# KiCad board RP2040-Breadstick Panel.kicad_pcb (continued)
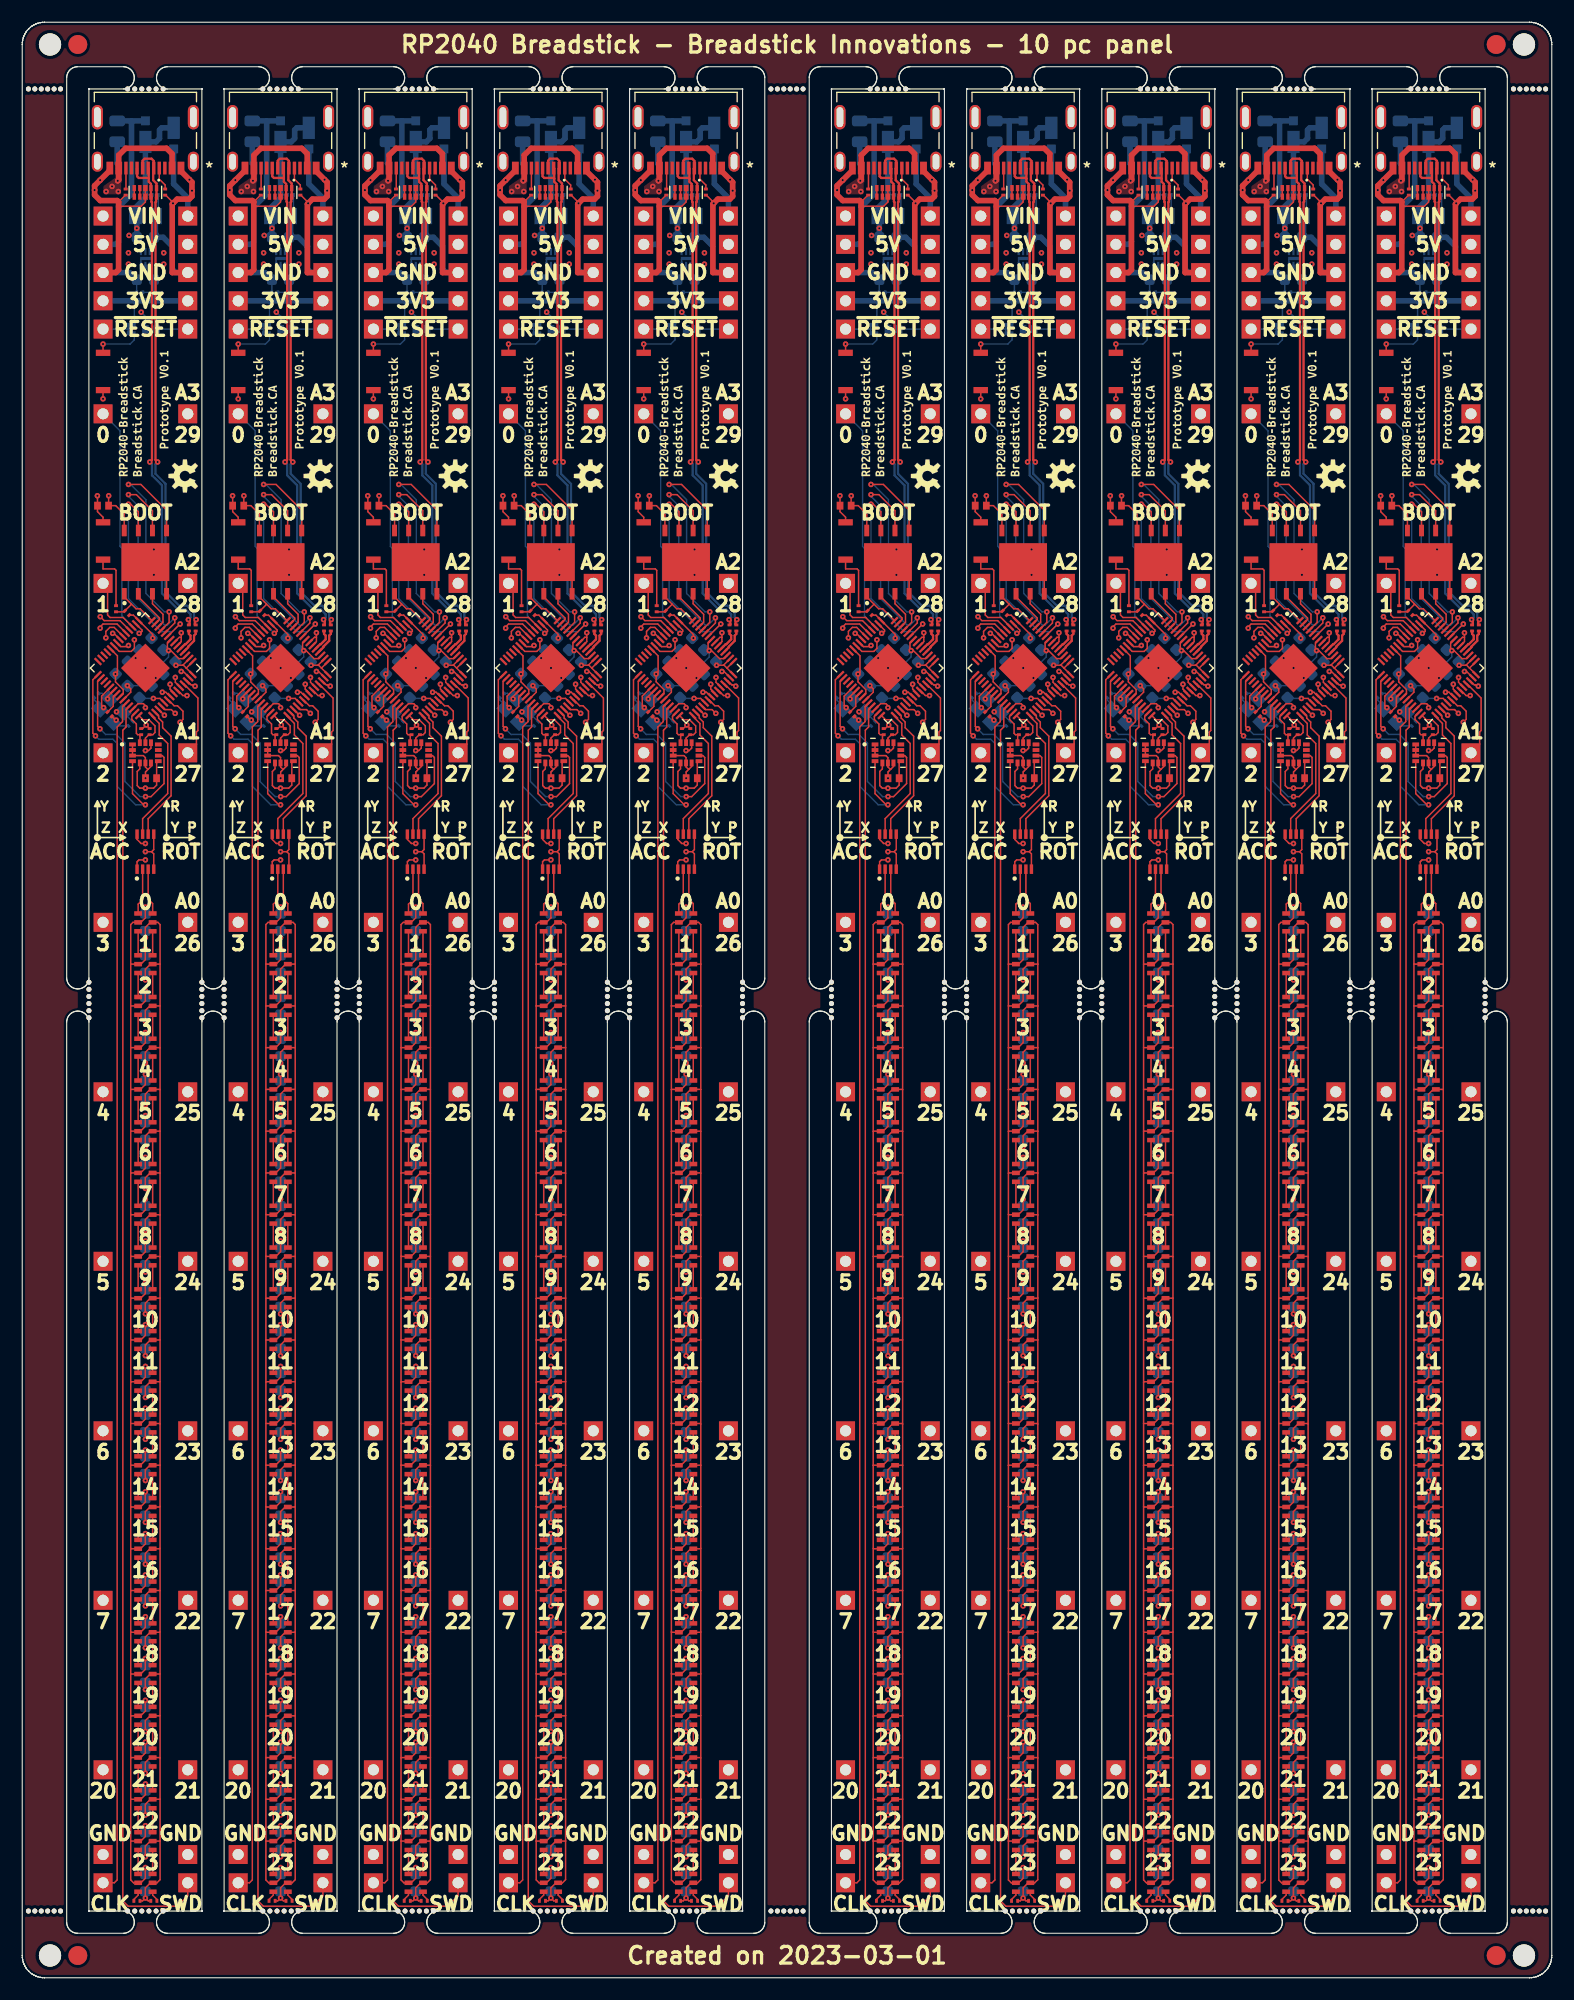
[diagram p0: board, top side]
## Routing (per net, layer and track width the routed paths; a pad name or vN(x,y) marks a point on that pad's centre or on a via; arc(x,y) is an arc through that point) (continued)
Board_0-VIN: length 14.2
  L3_SIG.Cu w0.5: J502.1 J501#2.1
  L8_SIG.Cu w0.5: J501#2.1 14.89,160.03 13.62,161.3 D501#5.2
Board_1-3V3_LDO: length 53.3
  L1_SIG.Cu w0.127: U401#2.8 24.25,109.24 C401#6.1 24.25,107.24 23.98,106.97 v1(23.24,106.97) 22.73,106.97 22.5,107.19 22.5,108.46 22.74,108.7 U401#2.5 ; 26.47,120.53 26.29,120.53 U201#9.49 ; 26.47,120.53 26.47,120.14 U201#9.48 ; 26.47,120.53 v1(26.47,120.94) ; U401#2.12 23.74,110.56 23.52,110.34 v1(23.24,110.34) ; R205#10.1 22.16,122.52 U201#9.1 23.9,120.78 v1(23.9,120.45) ; 26.92,117.76 26.66,118.01 26.61,118.01 ; 26.92,117.76 26.92,117.76 U201#9.43 ; 26.92,117.76 U201#9.42 ; U203#3.8 21.33,131.6 20.57,132.37 C216#6.1 19.93,133.25 v1(19.94,133.25) ; U201#9.10 20.73,118.86 20.73,117.4 v1(20.55,117.23) 20.55,116.52 21.25,115.82 21.25,115.49 U201#9.22 ; R210#5.2 23.62,112.33 v1(23.31,112.64) 22.99,112.32 R209#6.2 ; v1(23.24,101.99) 22.86,101.99 22.49,102.36 IC301#7.8 ; v1(23.96,115.03) 24.56,115.03 U201#9.33 ; 26.61,118.01 U201#9.44 ; 26.61,118.01 v1(25.98,118.01)
  L3_SIG.Cu w0.5: J508#10.1 J507#4.1
  L8_SIG.Cu w0.127: v1(20.55,117.23) 20.56,117.24 C210#10.1 ; v1(23.96,115.03) 22.76,115.03 C206#9.1 ; 22.22,150.78 22.25,150.76 R208#6.1 ; C211.1 25.98,118.28 v1(25.98,118.01) ; 23.01,151.54 24,151.54
  L8_SIG.Cu w0.15: 23.64,153.33 24.01,152.95 C503#8.1
  L8_SIG.Cu w0.203: U501#6.2 23.24,153.47 23.39,153.33 23.64,153.33 U501#6.1
  L8_SIG.Cu w0.5: 23.9,150.78 J507#4.1 ; 23.9,150.78 J508#10.1 ; 23.9,150.78 24.03,150.91 24.03,152.67
Board_1-+1V1: length 10.2
  L1_SIG.Cu w0.127: U201#9.23 21.92,115.59 21.92,115.88 v1(21.62,116.18) ; U201#9.45 26.64,118.61 26.25,118.61 25.53,119.33 v1(25.32,119.33) 25.22,119.44 25.22,120.02 U201#9.50
  L8_SIG.Cu w0.127: v1(25.32,119.33) 25.32,118.76 22.74,116.18 v1(21.62,116.18)
Board_1-/Addressable RGB LEDs/CLK: length 4.1
  L1_SIG.Cu w0.127: IC301#7.2 22.99,96.94 22.59,96.54 LED301#5.4
Board_1-/Addressable RGB LEDs/DATA: length 4.1
  L1_SIG.Cu w0.127: IC301#7.3 23.49,96.99 23.89,96.59 LED301#5.3
Board_1-/RP2040/ADC0: length 26.2
  L1_SIG.Cu w0.127: U201#9.38 25.93,116.48 v1(25.93,116.92)
  L3_SIG.Cu w0.127: J220#4.1 27.05,107.85 25.93,108.97 25.93,111.27 27.52,111.27 27.96,111.71 27.96,115.02 26.06,116.92 v1(25.93,116.92)
Board_1-/RP2040/ADC1: length 7.1
  L1_SIG.Cu w0.127: J219#2.1 27.83,110.92 27.83,112.01 27.96,112.15 27.96,115.07 26.71,116.32 U201#9.39
Board_1-/RP2040/ADC2: length 12.9
  L1_SIG.Cu w0.127: U201#9.40 27,116.6 27.35,116.25 27.46,116.25 27.58,116.13 v1(27.71,116.13)
  L3_SIG.Cu w0.127: v1(27.71,116.13) 27.71,118.91 24.84,121.78 24.84,124.11 26.11,125.38 J218#5.1
Board_1-/RP2040/ADC3: length 26.9
  L1_SIG.Cu w0.127: U201#9.41 26.66,117.46 v1(26.47,117.46)
  L3_SIG.Cu w0.127: v1(26.47,117.46) 26.82,117.81 26.82,118.62 23.82,121.62 23.82,124.45 25.35,125.98 25.35,128.07 27.05,129.77 J217#4.1
Board_1-/RP2040/D0: length 22.3
  L1_SIG.Cu w0.127: v1(22.68,120.88) 22.76,120.88 22.94,121.06 22.94,121.18 U201#9.2
  L8_SIG.Cu w0.127: v1(22.68,120.88) 21.13,122.43 21.13,128.53 20.95,128.71 20.95,139.1 J205#3.1
Board_1-/RP2040/D1: length 5.7
  L1_SIG.Cu w0.127: J206.1 19.84,124.97 19.84,122.54 20.07,122.31 21.24,122.31 U201#9.3
Board_1-/RP2040/D2: length 16.5
  L1_SIG.Cu w0.127: U201#9.4 20.95,122.03 19.53,122.03 v1(19.18,122.38)
  L3_SIG.Cu w0.127: v1(19.18,122.38) 18.54,121.74 18.54,113.26 18.87,112.93 19.3,112.93 19.7,112.53 19.7,111.43 19.43,111.16 J207#5.1
Board_1-/RP2040/D3: length 30.6
  L1_SIG.Cu w0.127: v1(19.17,121.35) 19.17,121.46 19.43,121.72 20.69,121.72 U201#9.5
  L3_SIG.Cu w0.127: v1(19.17,121.35) 19.15,121.33 19.15,114.94 18.97,114.76 18.97,114.03 20.56,112.44 20.56,108.93 19.43,107.8 J208#3.1
Board_1-/RP2040/D4: length 44.8
  L1_SIG.Cu w0.127: U201#9.6 20.43,121.42 20.04,121.42 19.68,121.06 v1(19.68,120.48)
  L3_SIG.Cu w0.127: J209#6.1 19.43,92.33 20.56,93.46 20.56,108.2 21.02,108.66 21.02,112.5 21.18,112.66 21.18,114.39 19.68,115.89 v1(19.68,120.48)
Board_1-/RP2040/D5: length 59
  L1_SIG.Cu w0.127: v1(20.29,120.88) 20.4,120.88 U201#9.7
  L3_SIG.Cu w0.127: v1(20.29,120.88) 20.29,117.89 20.04,117.63 20.04,116.98 21.55,115.47 21.55,112.25 21.48,112.18 21.48,108.31 21.15,107.98 21.15,92.85 20.57,92.27 20.57,78.22 19.43,77.08 J210#7.1
Board_1-/RP2040/D6: length 73.9
  L1_SIG.Cu w0.127: v1(21.72,119.79) 21.61,119.69 21.03,119.69 U201#9.8
  L3_SIG.Cu w0.127: v1(21.72,119.79) 21.36,119.79 21.08,119.51 21.08,117.72 22.14,116.66 22.14,114.03 21.95,113.84 21.95,112.07 21.89,112.01 21.89,108.08 21.74,107.93 21.74,92.21 21.22,91.69 21.22,63.31 19.43,61.52 J211#7.1
Board_1-/RP2040/D7: length 91.4
  L1_SIG.Cu w0.127: v1(22.25,120.3) 22.25,119.54 21.97,119.26 20.89,119.26 U201#9.9
  L3_SIG.Cu w0.127: v1(22.25,120.3) 22.25,119.33 21.85,118.93 21.85,118.17 22.91,117.11 22.91,114.79 22.57,114.45 22.57,113.42 22.34,113.19 22.34,107.8 22.22,107.68 22.22,91.44 21.98,91.2 21.98,62.09 20.76,60.87 20.76,44.1 19.43,42.77 J212#5.1
Board_1-/RP2040/D20: length 98.8
  L1_SIG.Cu w0.127: v1(24.95,113.52) 24.93,113.52 U201#9.31
  L3_SIG.Cu w0.127: v1(24.95,113.52) 23.43,113.52 22.75,112.84 22.75,61.15 22.01,60.41 22.01,32.49 19.43,29.91 J204#2.1
Board_1-/RP2040/D21: length 99.2
  L1_SIG.Cu w0.127: U201#9.32 24.99,114.03 25.58,114.03 25.91,113.69 v1(25.92,113.69)
  L3_SIG.Cu w0.127: v1(25.92,113.69) 25.72,113.49 25.72,113.17 25.55,113 24.75,113 23.75,112 23.75,61.15 24.5,60.4 24.5,32.39 27.05,29.84 J203.1
Board_1-/RP2040/D22: length 84.5
  L1_SIG.Cu w0.127: v1(26.36,112.89) 26.62,113.15 26.62,113.88 26.13,114.37 25.83,114.37 25.29,114.91 U201#9.34
  L3_SIG.Cu w0.127: v1(26.36,112.89) 26.08,112.61 25.01,112.61 24.22,111.82 24.22,107.82 24.3,107.74 24.3,91.48 24.53,91.25 24.53,62.28 25.75,61.06 25.75,44.18 26.99,42.94 26.99,34 J213#9.1
Board_1-/RP2040/D23: length 71.1
  L1_SIG.Cu w0.127: U201#9.35 25.47,115.19 25.07,115.59 v1(24.76,115.59)
  L3_SIG.Cu w0.127: v1(24.76,115.59) 25.08,115.59 26.88,113.79 26.88,112.48 26.64,112.24 25.22,112.24 24.68,111.7 24.68,108.08 24.82,107.94 24.82,92.01 25.27,91.56 25.27,63.31 27.05,61.53 J214#5.1
Board_1-/RP2040/D24: length 56.2
  L1_SIG.Cu w0.127: U201#9.36 25.81,115.52 25.46,115.87 v1(25.46,116.31)
  L3_SIG.Cu w0.127: v1(25.46,116.31) 25.46,115.87 27.25,114.08 27.25,112.19 26.97,111.92 25.42,111.92 25.1,111.6 25.1,108.31 25.36,108.05 25.36,92.71 25.92,92.15 25.92,78.12 27.05,76.99 J215#8.1
Board_1-/RP2040/D25: length 39.4
  L1_SIG.Cu w0.127: v1(26.98,115.29) 26.61,115.29 26.14,115.76 U201#9.37
  L3_SIG.Cu w0.127: v1(26.98,115.29) 27.6,114.67 27.6,111.95 27.28,111.63 25.7,111.63 25.51,111.44 25.51,108.69 25.93,108.27 25.93,93.35 27.05,92.23 J202#8.1
Board_1-/RP2040/MCU_QSPI_CSN: length 5.4
  L1_SIG.Cu w0.127: 21.96,123.54 22.4,123.09 22.76,123.09 U201#9.56 ; 21.96,123.54 21.96,123.47 R205#10.2 21.31,122.82 R204#3.2 ; 21.96,123.54 21.33,124.16 U203#3.1
Board_1-/RP2040/MCU_QSPI_SCLK: length 20.6
  L1_SIG.Cu w0.127: v1(25.88,122.28) 25.88,121.82 U201#9.52 ; U203#3.6 23.87,131.91 22.43,133.36 v1(21.72,133.36)
  L8_SIG.Cu w0.127: v1(25.88,122.28) 25.22,121.62 24.97,121.62 22.58,124.01 22.58,132.34 21.72,133.2 v1(21.72,133.36)
Board_1-/RP2040/MCU_QSPI_SD0: length 21.5
  L1_SIG.Cu w0.127: U203#3.5 25.14,131.96 22.83,134.27 v1(21.72,134.27) ; v1(25.37,122.81) 25.37,121.87 U201#9.53
  L8_SIG.Cu w0.127: v1(21.72,134.27) 21.92,134.27 23.29,132.9 23.29,124.47 24.94,122.81 v1(25.37,122.81)
Board_1-/RP2040/MCU_QSPI_SD1: length 3.6
  L1_SIG.Cu w0.127: U201#9.55 24.51,122.14 24.51,122.26 22.61,124.16 U203#3.2
Board_1-/RP2040/MCU_QSPI_SD2: length 3.5
  L1_SIG.Cu w0.127: U203#3.3 23.87,123.55 24.82,122.6 24.82,121.89 U201#9.54
Board_1-/RP2040/MCU_QSPI_SD3: length 19.1
  L1_SIG.Cu w0.127: v1(21.72,132.49) 21.92,132.49 22.61,131.81 U203#3.7 ; v1(26.36,121.72) 26.35,121.72 U201#9.51
  L8_SIG.Cu w0.127: v1(26.36,121.72) 25.68,121.04 24.69,121.04 21.72,124.01 v1(21.72,132.49)
Board_1-/RP2040/MCU_USB_D+: length 2.1
  L1_SIG.Cu w0.2: U201#9.47 26.8,119.91 26.86,119.91
  L1_SIG.Cu w0.203: 26.86,119.91 27.3,120.35 27.3,120.68 27.15,120.83 R203#10.1
Board_1-/RP2040/MCU_USB_D-: length 2.3
  L1_SIG.Cu w0.2: U201#9.46 27.09,119.63 27.09,119.68
  L1_SIG.Cu w0.203: 27.09,119.68 27.62,120.21 27.62,120.68 27.76,120.83 R202#10.1
Board_1-/RP2040/USB_D+: length 45.2
  L1_SIG.Cu w0.203: 23.54,161.77 23.48,161.83 22.64,161.83 22.49,161.98 J221#5.B6 ; 23.54,161.77 23.54,162.67 J221#5.A6 ; 23.54,161.77 23.54,161.49 23.74,161.29 U202#5.2 U202#5.9 23.78,160.11 23.78,159.7 23.83,159.64 23.83,136.48 v1(23.64,136.29) ; R203#10.2 27.22,121.71 27.22,122 v1(27.11,122.12)
  L8_SIG.Cu w0.203: v1(27.11,122.12) 27.3,122.31 27.3,122.6 26.84,123.05 26.15,123.05 24.73,124.47 24.73,134.19 23.83,135.09 23.83,136.1 v1(23.64,136.29)
Board_1-/RP2040/USB_D-: length 45.9
  L1_SIG.Cu w0.203: v1(27.81,122.12) 27.69,122 27.69,121.71 R202#10.2 ; J221#5.A7 22.99,163.38 23.17,163.56 23.79,163.56 23.99,163.36 J221#5.B7 23.94,162.67 23.94,161.63 24.24,161.33 U202#5.1 U202#5.10 24.2,160.11 24.2,159.7 24.15,159.64 24.15,136.48 v1(24.34,136.29)
  L8_SIG.Cu w0.203: v1(27.81,122.12) 27.62,122.31 27.62,122.73 26.98,123.37 26.29,123.37 25.05,124.61 25.05,134.33 24.15,135.23 24.15,136.1 v1(24.34,136.29)
Board_1-/RP2040/~{RESET}: length 49.9
  L1_SIG.Cu w0.127: U201#9.26 22.59,114.56 23.06,114.56 23.24,114.38 v1(23.24,114.2)
  L3_SIG.Cu w0.127: 22.61,148.24 22.61,121.77 23.29,121.09 23.29,118.52 23.87,117.94 23.87,117.49 23.47,117.09 23.47,114.43 v1(23.24,114.2)
  L3_SIG.Cu w0.5: J201.1 J222#2.1
  L8_SIG.Cu w0.127: C207#8.1 J201.1 ; 21.69,148.22 21.67,148.24 J222#2.1 ; 21.69,148.22 R211#3.2 ; 21.69,148.22 R208#6.2
Board_1-GND: length 241.1
  L1_SIG.Cu w0.127: 23.8,101.25 23.99,101.44 IC301#7.5 ; 23.8,101.25 v1(23.24,101.25) ; 23.8,101.25 23.99,101.06 IC301#7.4 ; U202#5.3 U202#5.8 23.24,159.67 22.86,159.29 20.83,159.29 ; 24.56,12.3 24.55,12.29 LED323#5.2 23.69,12.29 23.24,11.84 v1(23.24,10.88) ; 24.56,12.3 24.56,8.82 24.28,8.54 LED324#5.2 23.69,8.54 23.24,8.08 v1(23.24,7.17) ; 24.56,12.3 24.56,16.06 ; v1(23.24,7.17) 22.99,6.91 R304#9.2 ; v1(23.24,7.17) 23.49,6.91 R305#7.2 ; 24.56,38.61 24.56,34.8 ; 24.56,38.61 24.52,38.57 LED316#10.2 23.66,38.57 23.24,38.16 v1(23.24,37.19) ; 24.56,38.61 24.56,42.37 ; 24.56,34.8 24.56,31.1 ; 24.56,34.8 24.55,34.82 LED317.2 23.66,34.82 23.24,34.4 v1(23.24,33.43) ; 23.49,108.67 23.44,108.67 23.24,108.87 U401#2.6 23.24,109.71 23.06,109.89 U401#2.3 U401#2.2 U401#2.1 ; 23.49,108.67 23.25,108.42 v1(23.25,107.86) C401#6.2 ; 23.49,108.67 23.74,108.91 U401#2.7 ; 24.56,49.79 24.56,46.08 ; 24.56,49.79 24.56,53.6 ; 24.56,49.79 24.51,49.84 LED313#7.2 23.69,49.84 23.24,49.38 v1(23.24,48.42) ; 24.56,46.08 LED314#9.2 23.65,46.08 23.24,45.67 v1(23.24,44.71) ; 24.56,46.08 24.56,42.37 ; v1(25.72,159.55) 25.72,159.63 25.06,160.28 R207#8.2 ; 24.56,27.34 24.56,23.58 ; 24.56,27.34 24.56,31.1 ; 24.56,27.34 24.53,27.31 LED319#4.2 23.67,27.31 23.24,26.88 v1(23.24,25.91) ; 24.56,23.58 24.54,23.55 LED320#8.2 23.67,23.55 23.24,23.12 v1(23.24,22.15) ; 24.56,23.58 24.56,19.77 ; U203#3.4 25.14,127.29 v1(24,128.43) ; 24.56,16.06 24.55,16.04 LED322#3.2 23.68,16.04 23.24,15.6 v1(23.24,14.64) ; 24.56,16.06 24.56,19.77 ; v1(24,126.14) 24,126.52 U203#3.9 ; v1(23.24,89.72) 23.24,90.68 23.7,91.14 LED302#4.2 24.56,91.14 ; v1(23.24,78.49) 23.24,79.46 23.66,79.88 LED305.2 24.55,79.88 24.56,79.86 ; v1(23.24,59.7) 23.24,60.66 23.68,61.1 LED310#7.2 24.54,61.1 24.56,61.12 ; 24.56,53.6 24.55,53.59 LED312#9.2 23.69,53.59 23.24,53.14 v1(23.24,52.18) ; 24.56,53.6 24.56,57.36 ; 24.56,87.38 24.56,83.62 ; 24.56,87.38 24.56,91.14 ; 24.56,87.38 24.56,87.39 LED303.2 23.65,87.39 23.24,86.98 v1(23.24,86.01) ; 24.56,83.62 24.55,83.63 LED304#10.2 23.65,83.63 23.24,83.22 v1(23.24,82.25) ; 24.56,83.62 24.56,79.86 ; 24.56,91.14 24.56,94.7 24.36,94.9 LED301#5.2 23.69,94.9 23.24,94.44 v1(23.24,93.53) ; 24.56,76.1 24.54,76.12 LED306#9.2 23.66,76.12 23.24,75.7 v1(23.24,74.73) ; 24.56,76.1 24.56,79.86 ; 24.56,76.1 24.56,72.34 ; 24.56,64.83 24.56,61.12 ; 24.56,64.83 24.53,64.86 LED309#7.2 23.68,64.86 23.24,64.42 v1(23.24,63.45) ; 24.56,64.83 24.56,68.59 ; 24.56,61.12 24.56,57.36 ; 24.56,68.59 24.53,68.61 LED308#10.2 23.67,68.61 23.24,68.18 v1(23.24,67.21) ; 24.56,68.59 24.56,72.34 ; 24.56,19.77 24.53,19.8 LED321#8.2 23.68,19.8 23.24,19.36 v1(23.24,18.4) ; 24.56,31.1 24.53,31.06 LED318#8.2 23.67,31.06 23.24,30.64 v1(23.24,29.67) ; 24.56,42.37 24.52,42.33 LED315.2 23.65,42.33 23.24,41.92 v1(23.24,40.95) ; v1(19.48,114.2) 19.3,114.38 19.3,115.24 U201#9.19 ; v1(23.24,70.97) 23.24,71.94 23.67,72.37 LED307#5.2 24.54,72.37 24.56,72.34 ; 24.56,57.36 24.55,57.35 LED311#2.2 23.69,57.35 23.24,56.9 v1(23.24,55.94) ; R206#2.2 21.44,160.28 20.84,159.68 20.81,159.68 ; v1(18.92,133.25) 18.93,133.25 C216#6.2 18.93,131.82 19.43,131.32 SW201#6.1 ; SW202#5.1 v1(19.43,141.97)
  L1_SIG.Cu w0.5: J221#5.A1/B12 26.44,162.44 v1(27.2,161.68) 27.43,161.45 v1(27.43,160.69) 27.43,160.18 27.18,159.92 26.1,159.92 v1(25.72,159.55) 25.65,159.48 25.65,153.32 J506#10.1 ; J505#5.1 20.57,153.32 20.83,153.57 20.83,159.67 20.7,159.8 19.18,159.8 18.67,160.31 v1(18.67,160.74) 18.67,161.13 v1(19.17,161.63) 20.04,162.5 J221#5.B1/A12
  L3_SIG.Cu w0.5: J505#5.1 J506#10.1
  L8_SIG.Cu w0.127: v1(23.24,82.25) C306#2.2 ; v1(23.24,22.15) C322#5.2 ; v1(23.24,40.95) C317#4.2 ; U501#6.7 22.91,154.59 22.84,154.52 U501#6.3 ; v1(22.86,149.76) 23.25,149.38 C207#8.2 ; C309#6.2 23.24,71.58 v1(23.24,70.97) ; v1(23.24,86.01) C305#9.2 ; v1(23.24,18.4) C323#8.2 ; C201#4.2 18.65,114.88 19.13,114.41 ; v1(23.24,93.53) 23.24,94.13 ; C501#3.2 24.4,158.66 R501#10.1 ; v1(23.24,10.88) C325#5.2 ; v1(23.24,67.21) C310.2 ; v1(23.24,89.72) C304#8.2 ; v1(23.24,52.18) C314#6.2 ; v1(23.24,78.49) C307#7.2 ; C203#4.2 22.08,112.95 21.25,113.78 Y201#3.2 ; R502#3.1 22.46,152.68 C503#8.2 ; v1(23.24,74.73) 23.24,75.34 C308#5.2 ; v1(23.24,14.64) C324#6.2 ; v1(23.24,63.45) C311#10.2 ; v1(23.24,44.71) C316#9.2 ; v1(23.24,29.67) C320#6.2 ; v1(23.24,55.94) C313.2 ; v1(23.24,33.43) C319#5.2 ; v1(23.24,37.19) C318#3.2 ; v1(23.24,7.17) C326#3.2 ; v1(23.24,59.7) C312#8.2 ; v1(23.24,48.42) C315#2.2 ; v1(23.24,25.91) C321#10.2
  L8_SIG.Cu w0.203: C503#8.2 22.84,153.06 U501#6.3
  L8_SIG.Cu w0.5: C503#8.2 22.45,152.69 21.82,153.32 J505#5.1 ; C501#3.2 24.14,156.62 C502#4.2 24.84,156.5 25.65,155.68 25.65,153.62 25.96,153.32 J506#10.1
  vias: v1(20.64,113.83) v1(22.36,118.66) v1(23.25,117.77) v1(24.17,116.87)
Board_1-IMU_INT1: length 19.6
  L1_SIG.Cu w0.127: v1(23.24,105.47) 23.08,105.47 22.08,106.47 U401#2.4 ; v1(18.75,111.66) 18.51,111.9 18.51,116.71 U201#9.15
  L8_SIG.Cu w0.127: v1(18.75,111.66) 19.05,111.36 20.32,111.36 20.72,110.96 20.72,107.11 22.36,105.47 v1(23.24,105.47)
Board_1-IMU_INT2: length 18.5
  L1_SIG.Cu w0.127: U401#2.9 24.75,109.89 24.92,109.72 24.92,107.37 23.75,106.2 v1(23.25,106.2) ; U201#9.16 18.94,116.57 18.94,112.51 v1(19.15,112.3)
  L8_SIG.Cu w0.127: v1(23.25,106.2) 22.76,106.2 21.4,107.56 21.4,111.01 20.62,111.79 19.66,111.79 v1(19.15,112.3)
Board_1-IMU_SCL: length 3.9
  L1_SIG.Cu w0.127: U201#9.28 23.02,113.12 23.55,113.12 24.1,112.56 24.1,111.97 23.9,111.77 R210#5.1 23.55,111.77 23.24,111.46 U401#2.13
Board_1-IMU_SDA: length 3.4
  L1_SIG.Cu w0.127: U201#9.27 22.02,113.43 22.02,113.14 22.43,112.73 22.43,111.89 22.55,111.77 R209#6.1 22.75,111.66 22.75,111.06 U401#2.14
Board_1-LED_CLK: length 12.2
  L1_SIG.Cu w0.127: IC301#7.7 22.99,104.23 25.25,106.48 25.25,110.98 24.48,111.74 24.48,112.78 23.83,113.44 U201#9.29
Board_1-LED_DATA: length 12.4
  L1_SIG.Cu w0.127: IC301#7.6 23.49,104.22 25.55,106.28 25.55,111.64 24.79,112.4 24.79,112.91 24.43,113.26 24.43,113.45 U201#9.30
Board_1-Net-(C201-Pad1): length 2
  L1_SIG.Cu w0.127: U201#9.20 19.84,115.2 v1(19.84,114.99)
  L8_SIG.Cu w0.127: v1(19.84,114.99) 19.34,115.49 C201#4.1
Board_1-Net-(C203-Pad1): length 2.1
  L1_SIG.Cu w0.127: R201#2.1 20.55,113.08 v1(20.61,113.08)
  L8_SIG.Cu w0.127: C203#4.1 20.61,112.56 Y201#3.3
Board_1-Net-(J221-PadA5): length 2.1
  L1_SIG.Cu w0.127: R207#8.1 25.02,161.19 24.49,161.72 J221#5.A5
Board_1-Net-(J221-PadB5): length 1.9
  L1_SIG.Cu w0.127: J221#5.B5 21.49,160.86 R206#2.1
Board_1-Net-(LED301-Pad1): length 2.2
  L1_SIG.Cu w0.127: LED301#5.1 LED302#4.3
Board_1-Net-(LED301-Pad6): length 2.2
  L1_SIG.Cu w0.127: LED301#5.6 LED302#4.4
Board_1-Net-(LED302-Pad1): length 2.2
  L1_SIG.Cu w0.127: LED302#4.1 LED303.3
Board_1-Net-(LED302-Pad6): length 2.2
  L1_SIG.Cu w0.127: LED302#4.6 LED303.4
Board_1-Net-(LED303-Pad1): length 2.2
  L1_SIG.Cu w0.127: LED303.1 LED304#10.3
Board_1-Net-(LED303-Pad6): length 2.2
  L1_SIG.Cu w0.127: LED303.6 LED304#10.4
Board_1-Net-(LED304-Pad1): length 2.2
  L1_SIG.Cu w0.127: LED304#10.1 LED305.3
Board_1-Net-(LED304-Pad6): length 2.2
  L1_SIG.Cu w0.127: LED304#10.6 LED305.4
Board_1-Net-(LED305-Pad1): length 2.2
  L1_SIG.Cu w0.127: LED305.1 LED306#9.3
Board_1-Net-(LED305-Pad6): length 2.2
  L1_SIG.Cu w0.127: LED305.6 LED306#9.4
Board_1-Net-(LED306-Pad1): length 2.2
  L1_SIG.Cu w0.127: LED306#9.1 LED307#5.3
Board_1-Net-(LED306-Pad6): length 2.2
  L1_SIG.Cu w0.127: LED306#9.6 LED307#5.4
Board_1-Net-(LED307-Pad1): length 2.2
  L1_SIG.Cu w0.127: LED307#5.1 LED308#10.3
Board_1-Net-(LED307-Pad6): length 2.2
  L1_SIG.Cu w0.127: LED307#5.6 LED308#10.4
Board_1-Net-(LED308-Pad1): length 2.2
  L1_SIG.Cu w0.127: LED308#10.1 LED309#7.3
Board_1-Net-(LED308-Pad6): length 2.2
  L1_SIG.Cu w0.127: LED308#10.6 LED309#7.4
Board_1-Net-(LED309-Pad1): length 2.2
  L1_SIG.Cu w0.127: LED309#7.1 LED310#7.3
Board_1-Net-(LED309-Pad6): length 2.2
  L1_SIG.Cu w0.127: LED309#7.6 LED310#7.4
Board_1-Net-(LED310-Pad1): length 2.2
  L1_SIG.Cu w0.127: LED310#7.1 LED311#2.3
Board_1-Net-(LED310-Pad6): length 2.2
  L1_SIG.Cu w0.127: LED310#7.6 LED311#2.4
Board_1-Net-(LED311-Pad1): length 2.2
  L1_SIG.Cu w0.127: LED311#2.1 LED312#9.3
Board_1-Net-(LED311-Pad6): length 2.2
  L1_SIG.Cu w0.127: LED311#2.6 LED312#9.4
Board_1-Net-(LED312-Pad1): length 2.2
  L1_SIG.Cu w0.127: LED312#9.1 LED313#7.3
Board_1-Net-(LED312-Pad6): length 2.2
  L1_SIG.Cu w0.127: LED312#9.6 LED313#7.4
Board_1-Net-(LED313-Pad1): length 2.2
  L1_SIG.Cu w0.127: LED313#7.1 LED314#9.3
Board_1-Net-(LED313-Pad6): length 2.2
  L1_SIG.Cu w0.127: LED313#7.6 LED314#9.4
Board_1-Net-(LED314-Pad1): length 2.2
  L1_SIG.Cu w0.127: LED314#9.1 LED315.3
Board_1-Net-(LED314-Pad6): length 2.2
  L1_SIG.Cu w0.127: LED314#9.6 LED315.4
Board_1-Net-(LED315-Pad1): length 2.2
  L1_SIG.Cu w0.127: LED315.1 LED316#10.3
Board_1-Net-(LED315-Pad6): length 2.2
  L1_SIG.Cu w0.127: LED315.6 LED316#10.4
Board_1-Net-(LED316-Pad1): length 2.2
  L1_SIG.Cu w0.127: LED316#10.1 LED317.3
Board_1-Net-(LED316-Pad6): length 2.2
  L1_SIG.Cu w0.127: LED316#10.6 LED317.4
Board_1-Net-(LED317-Pad1): length 2.2
  L1_SIG.Cu w0.127: LED317.1 LED318#8.3
Board_1-Net-(LED317-Pad6): length 2.2
  L1_SIG.Cu w0.127: LED317.6 LED318#8.4
Board_1-Net-(LED318-Pad1): length 2.2
  L1_SIG.Cu w0.127: LED318#8.1 LED319#4.3
Board_1-Net-(LED318-Pad6): length 2.2
  L1_SIG.Cu w0.127: LED318#8.6 LED319#4.4
Board_1-Net-(LED319-Pad1): length 2.2
  L1_SIG.Cu w0.127: LED319#4.1 LED320#8.3
Board_1-Net-(LED319-Pad6): length 2.2
  L1_SIG.Cu w0.127: LED319#4.6 LED320#8.4
Board_1-Net-(LED320-Pad1): length 2.2
  L1_SIG.Cu w0.127: LED320#8.1 LED321#8.3
Board_1-Net-(LED320-Pad6): length 2.2
  L1_SIG.Cu w0.127: LED320#8.6 LED321#8.4
Board_1-Net-(LED321-Pad1): length 2.2
  L1_SIG.Cu w0.127: LED321#8.1 LED322#3.3
Board_1-Net-(LED321-Pad6): length 2.2
  L1_SIG.Cu w0.127: LED321#8.6 LED322#3.4
Board_1-Net-(LED322-Pad1): length 2.2
  L1_SIG.Cu w0.127: LED322#3.1 LED323#5.3
Board_1-Net-(LED322-Pad6): length 2.2
  L1_SIG.Cu w0.127: LED322#3.6 LED323#5.4
Board_1-Net-(LED323-Pad1): length 2.2
  L1_SIG.Cu w0.127: LED323#5.1 LED324#5.3
Board_1-Net-(LED323-Pad6): length 2.2
  L1_SIG.Cu w0.127: LED323#5.6 LED324#5.4
Board_1-Net-(LED324-Pad1): length 1
  L1_SIG.Cu w0.127: R305#7.1 24.28,7.05 23.89,7.43 LED324#5.1
Board_1-Net-(LED324-Pad6): length 1
  L1_SIG.Cu w0.127: LED324#5.6 22.59,7.43 22.2,7.05 R304#9.1
Board_1-Net-(R201-Pad2): length 2
  L1_SIG.Cu w0.127: U201#9.21 20.34,115.15 20.34,114.32 R201#2.2
Board_1-Net-(R204-Pad1): length 5.2
  L1_SIG.Cu w0.127: R204#3.1 20.6,126.55 20.47,126.68 19.43,126.68 SW201#6.2
Board_1-Net-(R211-Pad1): length 4.3
  L1_SIG.Cu w0.127: SW202#5.2 v1(19.43,146.89)
  L8_SIG.Cu w0.127: R211#3.1 22.25,147.27 21.87,146.89 v1(19.43,146.89)
Board_1-Net-(U202-Pad4): length 0.8
  L1_SIG.Cu w0.127: U202#5.4 U202#5.7
Board_1-Net-(U202-Pad5): length 0.8
  L1_SIG.Cu w0.127: U202#5.5 U202#5.6
Board_1-SWCLK: length 107.5
  L1_SIG.Cu w0.127: U201#9.24 21.18,114.29 21.18,112.95 20.7,112.46 20.7,8.79 20.45,8.54 J223#2.1
Board_1-SWD: length 115.3
  L1_SIG.Cu w0.127: J224#2.1 27.05,7.37 26.11,6.43 21.69,6.43 21.21,6.91 21.21,112.17 21.5,112.46 21.5,114.04 U201#9.25
Board_1-VBUS: length 12.5
  L1_SIG.Cu w0.5: J221#5.A4/B9 25.64,164 25.14,164.5 21.46,164.5 20.84,163.87 J221#5.B4/A9 20.84,161.66 v1(20.75,161.58)
  L8_SIG.Cu w0.5: v1(20.75,161.58) 20.83,161.65 20.83,163 20.7,163.12 F501#10.1
  vias: v1(19.71,160.61) v1(20.24,161.07) v1(20.8,160.61)
Board_1-VHI: length 174.3
  L1_SIG.Cu w0.127: 21.92,23.53 21.95,23.55 LED320#8.5 22.81,23.55 23.24,23.98 v1(23.24,24.95) ; 21.92,23.53 21.92,27.34 ; 21.92,23.53 21.92,19.77 ; v1(23.24,39.93) 23.24,39.02 22.79,38.57 LED316#10.5 21.96,38.57 21.92,38.61 ; v1(23.24,84.99) 23.24,84.08 22.79,83.63 LED304#10.5 21.93,83.63 21.92,83.62 ; 21.92,79.86 21.93,79.88 LED305.5 22.8,79.88 23.24,80.32 v1(23.24,81.23) ; 21.92,79.86 21.92,83.62 ; 21.92,79.86 21.92,76.1 ; 21.92,31.1 21.92,27.34 ; 21.92,31.1 21.95,31.06 LED318#8.5 22.8,31.06 23.24,31.5 v1(23.24,32.47) ; 21.92,31.1 21.92,34.8 ; 21.92,27.34 21.95,27.31 LED319#4.5 22.81,27.31 23.24,27.74 v1(23.24,28.71) ; v1(23.24,43.69) 23.24,42.78 22.79,42.33 LED315.5 21.96,42.33 21.92,42.37 ; 21.92,19.77 21.92,16.06 ; 21.92,19.77 21.95,19.8 LED321#8.5 22.82,19.8 23.24,20.22 v1(23.24,21.19) ; 21.92,16.06 21.93,16.04 LED322#3.5 22.82,16.04 23.24,16.46 v1(23.24,17.43) ; 21.92,16.06 21.92,12.3 ; 21.92,38.61 21.92,42.37 ; 21.92,38.61 21.92,34.8 ; 21.92,83.62 21.92,87.38 ; v1(23.24,62.49) 23.24,61.52 22.82,61.1 LED310#7.5 21.95,61.1 21.92,61.07 ; 21.92,91.14 21.92,87.38 ; 21.92,91.14 21.92,94.7 22.12,94.9 LED301#5.5 22.83,94.9 23.24,95.31 v1(23.24,96.27) ; 21.92,91.14 LED302#4.5 22.83,91.14 23.24,91.55 v1(23.24,92.51) ; 21.92,87.38 21.92,87.39 LED303.5 22.79,87.39 23.24,87.84 v1(23.24,88.75) ; 21.92,61.07 21.92,57.36 ; 21.92,61.07 21.92,64.88 ; 21.92,57.36 21.92,53.55 ; 21.92,57.36 21.93,57.35 LED311#2.5 22.82,57.35 23.24,57.77 v1(23.24,58.73) ; 21.92,68.64 21.94,68.61 LED308#10.5 22.81,68.61 23.24,69.04 v1(23.24,70.01) ; 21.92,68.64 21.92,72.34 ; 21.92,68.64 21.92,64.88 ; 21.92,12.3 21.92,8.79 22.18,8.54 LED324#5.5 22.83,8.54 23.24,8.95 v1(23.24,9.91) ; 21.92,12.3 21.93,12.29 LED323#5.5 22.82,12.29 23.24,12.71 v1(23.24,13.67) ; v1(23.24,100.51) 22.66,100.51 22.49,100.35 IC301#7.1 ; 21.92,53.55 21.96,53.59 LED312#9.5 22.83,53.59 23.24,54.01 v1(23.24,54.97) ; 21.92,53.55 21.92,49.84 ; 21.92,42.37 21.92,46.08 ; v1(23.24,66.25) 23.24,65.28 22.81,64.86 LED309#7.5 21.94,64.86 21.92,64.88 ; 21.92,46.08 LED314#9.5 22.78,46.08 23.24,46.54 v1(23.24,47.45) ; 21.92,46.08 21.92,49.84 ; v1(23.24,73.77) 23.24,72.8 22.8,72.37 LED307#5.5 21.94,72.37 21.92,72.34 ; 21.92,72.34 21.92,76.1 ; v1(23.24,77.53) 23.24,76.56 22.8,76.12 LED306#9.5 21.94,76.12 21.92,76.1 ; 21.92,49.84 21.92,49.84 LED313#7.5 22.83,49.84 23.24,50.25 v1(23.24,51.21) ; 21.92,34.8 21.93,34.82 LED317.5 22.8,34.82 23.24,35.26 v1(23.24,36.23)
  L8_SIG.Cu w0.127: v1(23.24,28.71) C321#10.1 ; v1(23.24,77.53) 23.24,76.92 C308#5.1 ; v1(23.24,88.75) C305#9.1 ; v1(23.24,54.97) C314#6.1 ; v1(23.24,9.91) C326#3.1 ; v1(23.24,70.01) C310.1 ; C309#6.1 23.24,73.16 v1(23.24,73.77) ; v1(23.24,32.47) C320#6.1 ; v1(23.24,62.49) C312#8.1 ; v1(23.24,58.73) C313.1 ; v1(23.24,96.27) C303#2.1 ; v1(23.24,84.99) C306#2.1 ; v1(23.24,17.43) C324#6.1 ; v1(23.24,21.19) C323#8.1 ; v1(23.24,51.21) C315#2.1 ; R501#10.2 23.37,160.31 23.24,160.43 ; v1(23.24,13.67) C325#5.1 ; v1(23.24,66.25) C311#10.1 ; v1(23.24,36.23) C319#5.1 ; v1(23.24,47.45) C316#9.1 ; v1(23.24,81.23) C307#7.1 ; v1(23.24,39.93) C318#3.1 ; v1(23.24,92.51) C304#8.1 ; v1(23.24,24.95) C322#5.1 ; v1(23.24,43.69) C317#4.1
  L8_SIG.Cu w0.5: D501#4.1 24.7,166.34 24.51,166.15 24.51,165.39 24.19,165.07 D502#2.1 23.24,160.05 22.34,159.15 C501#3.1 22.46,158.28 v1(22.46,157.31) C502#4.1
  vias: v1(21.72,155.1) v1(21.72,154.08) v1(21.77,156.66) v1(24.89,155.1) v1(24.89,154.08)
Board_1-VIN: length 14.2
  L3_SIG.Cu w0.5: J502#3.1 J501.1
  L8_SIG.Cu w0.5: J501.1 27.05,160.03 25.78,161.3 D501#4.2
Board_2-3V3_LDO: length 53.3
  L1_SIG.Cu w0.127: U401#3.8 36.41,109.24 C401#9.1 36.41,107.24 36.14,106.97 v1(35.4,106.97) 34.89,106.97 34.66,107.19 34.66,108.46 34.9,108.7 U401#3.5 ; 38.63,120.53 38.45,120.53 U201#8.49 ; 38.63,120.53 38.63,120.14 U201#8.48 ; 38.63,120.53 v1(38.63,120.94) ; U401#3.12 35.9,110.56 35.68,110.34 v1(35.4,110.34) ; R205#7.1 34.32,122.52 U201#8.1 36.06,120.78 v1(36.06,120.45) ; 39.08,117.76 38.82,118.01 38.77,118.01 ; 39.08,117.76 39.08,117.76 U201#8.43 ; 39.08,117.76 U201#8.42 ; U203#8.8 33.5,131.6 32.73,132.37 C216#10.1 32.09,133.25 v1(32.1,133.25) ; U201#8.10 32.89,118.86 32.89,117.4 v1(32.71,117.23) 32.71,116.52 33.41,115.82 33.41,115.49 U201#8.22 ; R210#7.2 35.78,112.33 v1(35.47,112.64) 35.15,112.32 R209#5.2 ; v1(35.4,101.99) 35.02,101.99 34.65,102.36 IC301#9.8 ; v1(36.12,115.03) 36.72,115.03 U201#8.33 ; 38.77,118.01 U201#8.44 ; 38.77,118.01 v1(38.14,118.01)